# Altium PCB STB_SensorBoard.PcbDoc (part 3 of 4)
Units mm, origin at the board's own origin, x right, y up, seen from the top; angles counter-clockwise.
Board outline 370 x 359 mm, 2 copper layers (Top Layer, Bottom Layer), stack 1.569 mm thick; 224 components, 98 nets, 746 pads, 3353 vias.
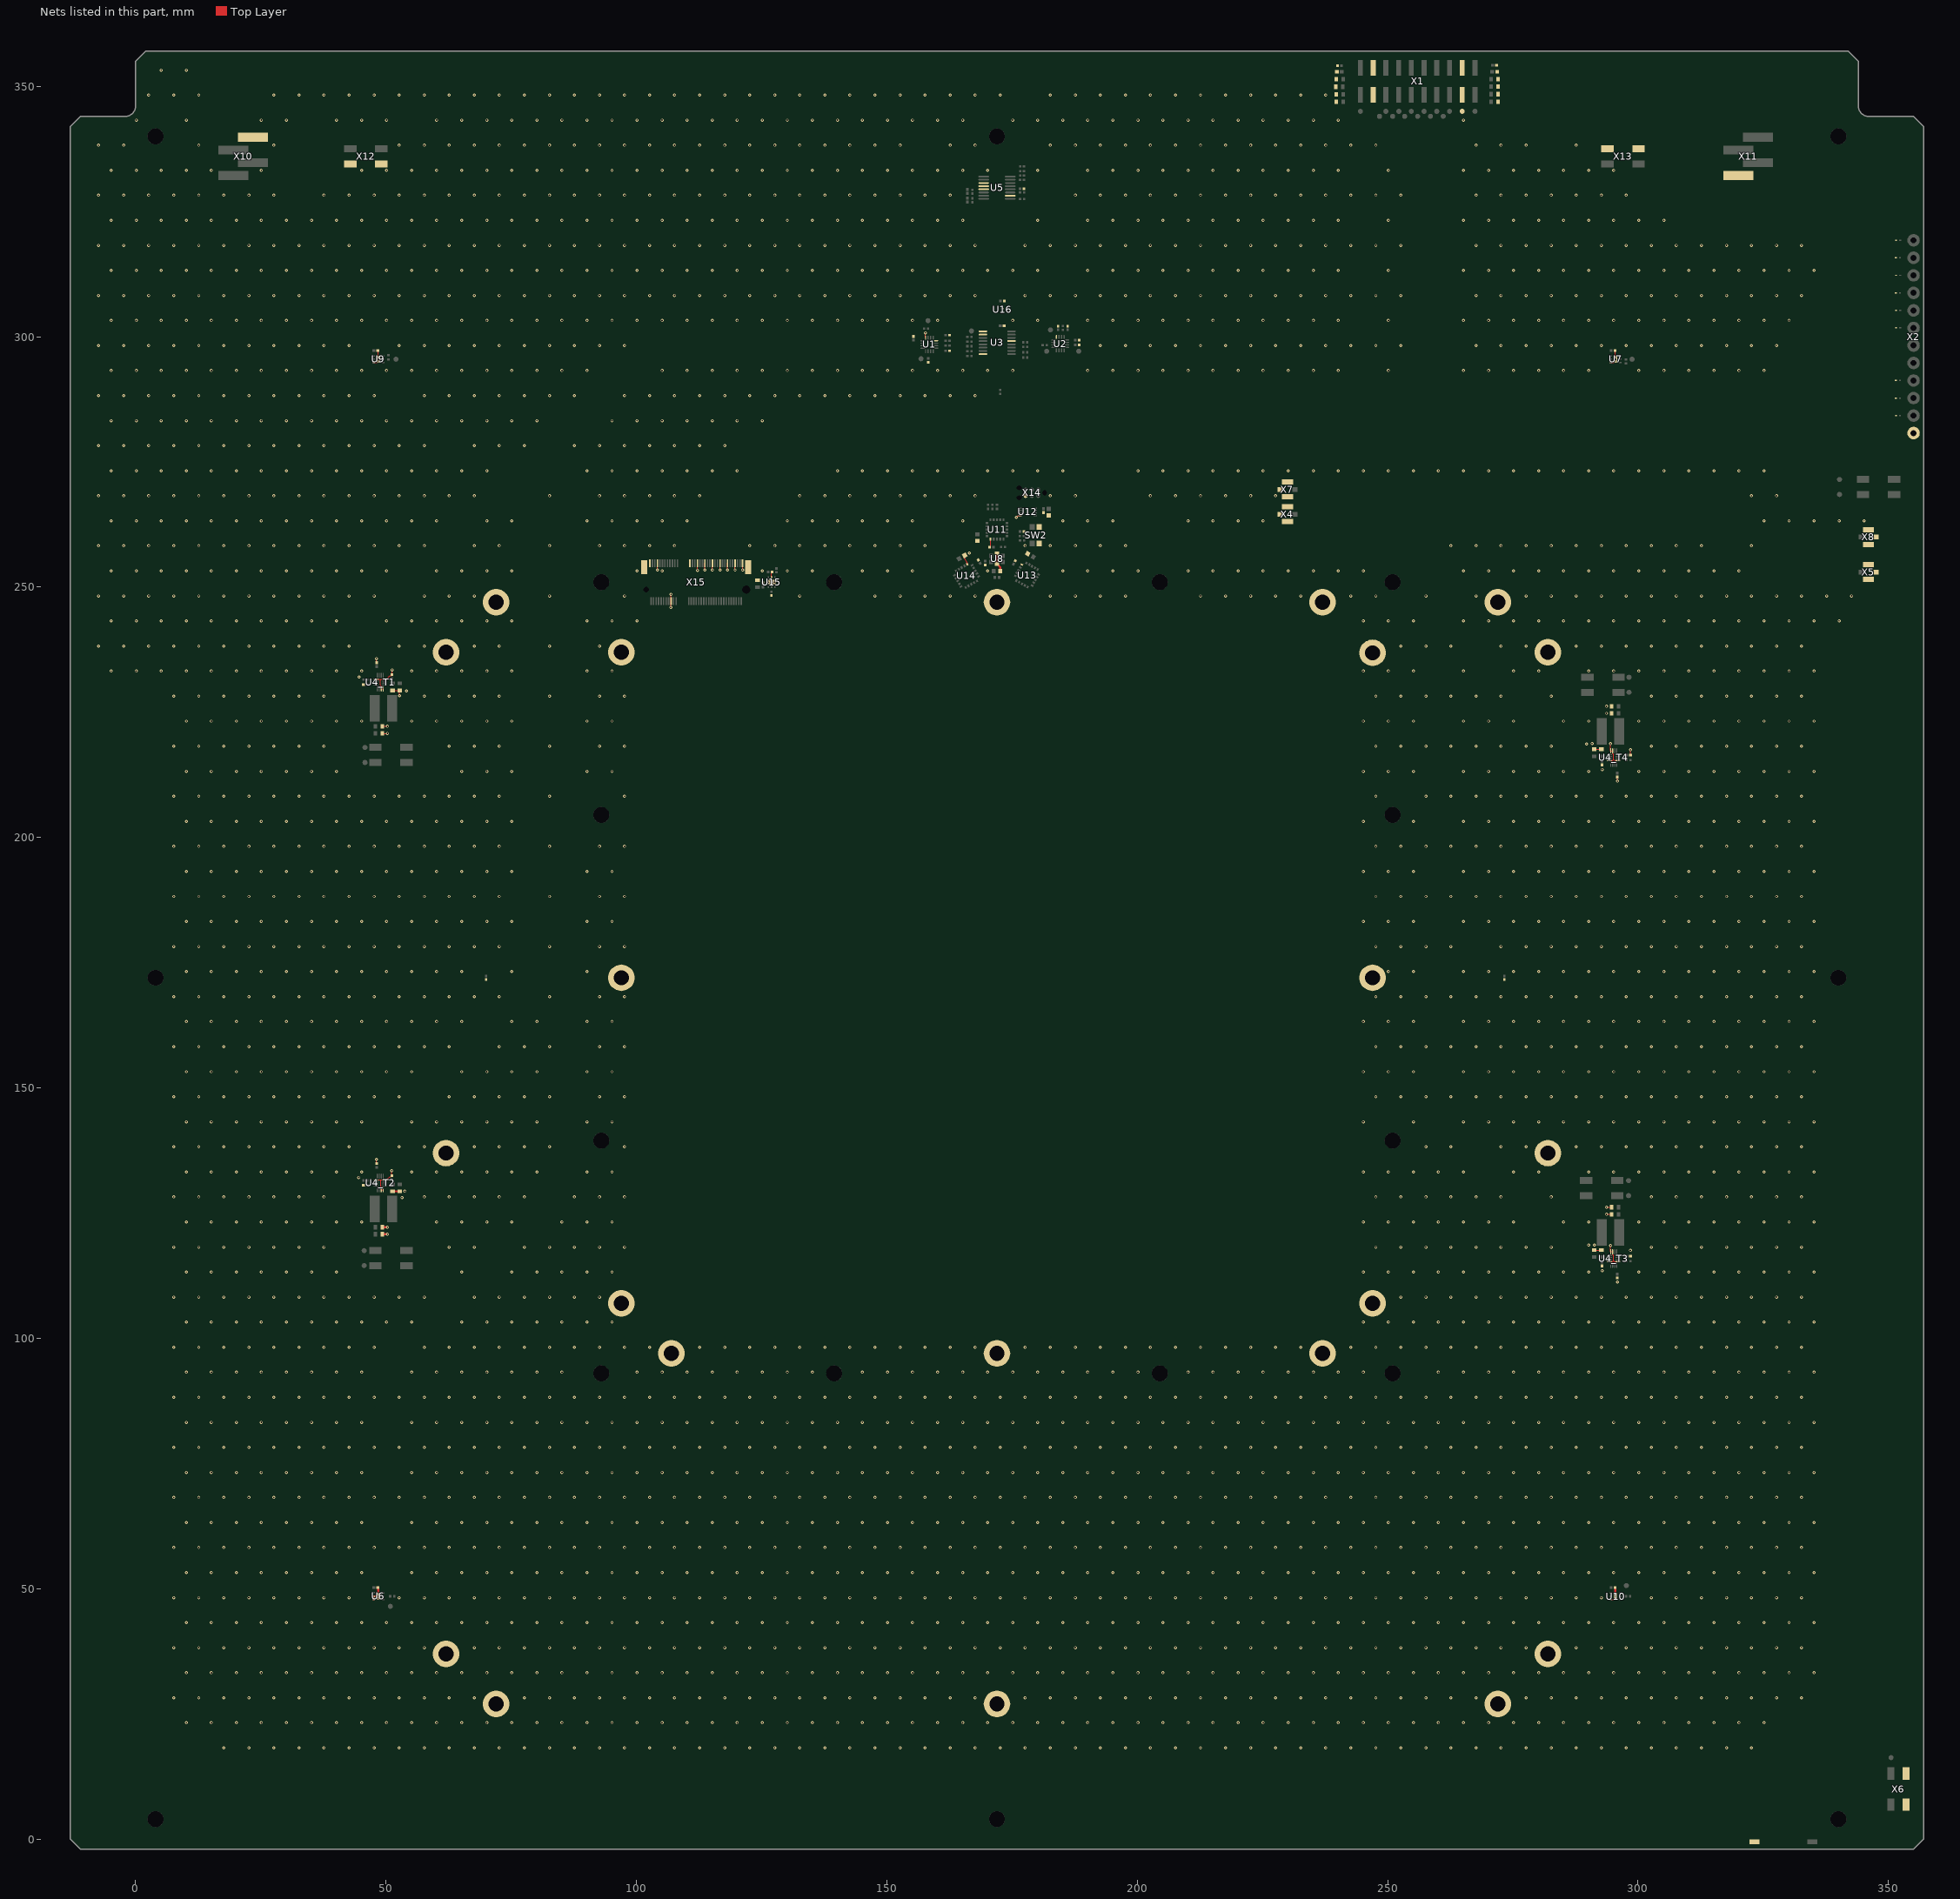
[diagram p3: the nets of this part, all layers, seen from the top]

## Via types
v1: diameter 0.604, hole 0.3, Top Layer to Bottom Layer, tented both sides, 3353 vias

## Nets (pads, with @x,y where several pads share a name; then routed paths per layer and width w, separated by ;. In a path a pad name is that pad's centre, name@x,y a point inside that pad or via, vN(x,y) a via of type N, cw(c..) or ccw(c..) an arc to the next point about the centre after c; other vN are vias at no path point) (continued)
GND: (continued)
  other v1: 17.642,18.24 22.642,18.24 27.642,18.24 32.642,18.24 37.642,18.24 42.642,18.24 47.642,18.24 52.642,18.24 57.642,18.24 62.642,18.24 67.642,18.24 72.642,18.24 77.642,18.24 82.642,18.24 87.642,18.24 92.642,18.24 97.642,18.24 102.642,18.24 107.642,18.24 112.642,18.24 117.642,18.24 122.642,18.24 127.642,18.24 132.642,18.24 137.642,18.24 142.642,18.24 147.642,18.24 152.642,18.24 157.642,18.24 162.642,18.24 167.642,18.24 172.642,18.24 177.642,18.24 182.642,18.24 187.642,18.24 192.642,18.24 197.642,18.24 202.642,18.24 207.642,18.24 212.642,18.24 217.642,18.24 222.642,18.24 227.642,18.24 232.642,18.24 237.642,18.24 242.642,18.24 247.642,18.24 252.642,18.24 257.642,18.24 262.642,18.24 267.642,18.24 272.642,18.24 277.642,18.24 282.642,18.24 287.642,18.24 292.642,18.24 297.642,18.24 302.642,18.24 307.642,18.24 312.642,18.24 317.642,18.24 322.642,18.24 10.142,23.24 15.142,23.24 20.142,23.24 25.142,23.24 30.142,23.24 35.142,23.24 40.142,23.24 45.142,23.24 50.142,23.24 55.142,23.24 60.142,23.24 65.142,23.24 70.142,23.24 75.142,23.24 80.142,23.24 85.142,23.24 90.142,23.24 95.142,23.24 100.142,23.24 105.142,23.24 110.142,23.24 115.142,23.24 120.142,23.24 125.142,23.24 130.142,23.24 135.142,23.24 140.142,23.24 145.142,23.24 150.142,23.24 155.142,23.24 160.142,23.24 165.142,23.24 170.142,23.24 175.142,23.24 180.142,23.24 185.142,23.24 190.142,23.24 195.142,23.24 200.142,23.24 205.142,23.24 210.142,23.24 215.142,23.24 220.142,23.24 225.142,23.24 230.142,23.24 235.142,23.24 240.142,23.24 245.142,23.24 250.142,23.24 255.142,23.24 260.142,23.24 265.142,23.24 270.142,23.24 275.142,23.24 280.142,23.24 285.142,23.24 290.142,23.24 295.142,23.24 300.142,23.24 305.142,23.24 310.142,23.24 315.142,23.24 320.142,23.24 325.142,23.24 7.642,28.24 12.642,28.24 17.642,28.24 22.642,28.24 27.642,28.24 32.642,28.24 37.642,28.24 42.642,28.24 47.642,28.24 52.642,28.24 57.642,28.24 62.642,28.24 67.642,28.24 77.642,28.24 82.642,28.24 87.642,28.24 92.642,28.24 97.642,28.24 102.642,28.24 107.642,28.24 112.642,28.24 117.642,28.24 122.642,28.24 127.642,28.24 132.642,28.24 137.642,28.24 142.642,28.24 147.642,28.24 152.642,28.24 157.642,28.24 162.642,28.24 167.642,28.24 177.642,28.24 182.642,28.24 187.642,28.24 192.642,28.24 197.642,28.24 202.642,28.24 207.642,28.24 212.642,28.24 217.642,28.24 222.642,28.24 227.642,28.24 232.642,28.24 237.642,28.24 242.642,28.24 247.642,28.24 252.642,28.24 257.642,28.24 262.642,28.24 267.642,28.24 277.642,28.24 282.642,28.24 287.642,28.24 292.642,28.24 297.642,28.24 302.642,28.24 307.642,28.24 312.642,28.24 317.642,28.24 322.642,28.24 327.642,28.24 332.642,28.24 10.142,33.24 15.142,33.24 20.142,33.24 25.142,33.24 30.142,33.24 35.142,33.24 40.142,33.24 45.142,33.24 50.142,33.24 55.142,33.24 60.142,33.24 65.142,33.24 70.142,33.24 75.142,33.24 80.142,33.24 85.142,33.24 90.142,33.24 95.142,33.24 100.142,33.24 105.142,33.24 110.142,33.24 115.142,33.24 120.142,33.24 125.142,33.24 130.142,33.24 135.142,33.24 140.142,33.24 145.142,33.24 150.142,33.24 155.142,33.24 160.142,33.24 165.142,33.24 170.142,33.24 175.142,33.24 180.142,33.24 185.142,33.24 190.142,33.24 195.142,33.24 200.142,33.24 205.142,33.24 210.142,33.24 215.142,33.24 220.142,33.24 225.142,33.24 230.142,33.24 235.142,33.24 240.142,33.24 245.142,33.24 250.142,33.24 255.142,33.24 260.142,33.24 265.142,33.24 270.142,33.24 275.142,33.24 280.142,33.24 285.142,33.24 290.142,33.24 295.142,33.24 300.142,33.24 305.142,33.24 310.142,33.24 315.142,33.24 320.142,33.24 325.142,33.24 330.142,33.24 335.142,33.24 7.642,38.24 12.642,38.24 17.642,38.24 22.642,38.24 27.642,38.24 32.642,38.24 37.642,38.24 42.642,38.24 47.642,38.24 52.642,38.24 57.642,38.24 67.642,38.24 72.642,38.24 77.642,38.24 82.642,38.24 87.642,38.24 92.642,38.24 97.642,38.24 102.642,38.24 107.642,38.24 112.642,38.24 117.642,38.24 122.642,38.24 127.642,38.24 132.642,38.24 137.642,38.24 142.642,38.24 147.642,38.24 152.642,38.24 157.642,38.24 162.642,38.24 167.642,38.24 172.642,38.24 177.642,38.24 182.642,38.24 187.642,38.24 192.642,38.24 197.642,38.24 202.642,38.24 207.642,38.24 212.642,38.24 217.642,38.24 222.642,38.24 227.642,38.24 232.642,38.24 237.642,38.24 242.642,38.24 247.642,38.24 252.642,38.24 257.642,38.24 262.642,38.24 267.642,38.24 272.642,38.24 277.642,38.24 287.642,38.24 292.642,38.24 297.642,38.24 302.642,38.24 307.642,38.24 312.642,38.24 317.642,38.24 322.642,38.24 327.642,38.24 332.642,38.24 10.142,43.24 15.142,43.24 20.142,43.24 25.142,43.24 30.142,43.24 35.142,43.24 40.142,43.24 45.142,43.24 50.142,43.24 55.142,43.24 60.142,43.24 65.142,43.24 70.142,43.24 75.142,43.24 80.142,43.24 85.142,43.24 90.142,43.24 95.142,43.24 100.142,43.24 105.142,43.24 110.142,43.24 115.142,43.24 120.142,43.24 125.142,43.24 130.142,43.24 135.142,43.24 140.142,43.24 145.142,43.24 150.142,43.24 155.142,43.24 160.142,43.24 165.142,43.24 170.142,43.24 175.142,43.24 180.142,43.24 185.142,43.24 190.142,43.24 195.142,43.24 200.142,43.24 205.142,43.24 210.142,43.24 215.142,43.24 220.142,43.24 225.142,43.24 230.142,43.24 235.142,43.24 240.142,43.24 245.142,43.24 250.142,43.24 255.142,43.24 260.142,43.24 265.142,43.24 270.142,43.24 275.142,43.24 280.142,43.24 285.142,43.24 290.142,43.24 295.142,43.24 300.142,43.24 305.142,43.24 310.142,43.24 315.142,43.24 320.142,43.24 325.142,43.24 330.142,43.24 335.142,43.24 7.642,48.24 12.642,48.24 17.642,48.24 22.642,48.24 27.642,48.24 32.642,48.24 37.642,48.24 42.642,48.24 52.642,48.24 57.642,48.24 62.642,48.24 67.642,48.24 72.642,48.24 77.642,48.24 82.642,48.24 87.642,48.24 92.642,48.24 97.642,48.24 102.642,48.24 107.642,48.24 112.642,48.24 117.642,48.24 122.642,48.24 127.642,48.24 132.642,48.24 137.642,48.24 142.642,48.24 147.642,48.24 152.642,48.24 157.642,48.24 162.642,48.24 167.642,48.24 172.642,48.24 177.642,48.24 182.642,48.24 187.642,48.24 192.642,48.24 197.642,48.24 202.642,48.24 207.642,48.24 212.642,48.24 217.642,48.24 222.642,48.24 227.642,48.24 232.642,48.24 237.642,48.24 242.642,48.24 247.642,48.24 252.642,48.24 257.642,48.24 262.642,48.24 267.642,48.24 272.642,48.24 277.642,48.24 282.642,48.24 287.642,48.24 292.642,48.24 302.642,48.24 307.642,48.24 312.642,48.24 317.642,48.24 322.642,48.24 327.642,48.24 332.642,48.24 10.142,53.24 15.142,53.24 20.142,53.24 25.142,53.24 30.142,53.24 35.142,53.24 40.142,53.24 45.142,53.24 55.142,53.24 60.142,53.24 65.142,53.24 70.142,53.24 75.142,53.24 80.142,53.24 85.142,53.24 90.142,53.24 95.142,53.24 100.142,53.24 105.142,53.24 110.142,53.24 115.142,53.24 120.142,53.24 125.142,53.24 130.142,53.24 135.142,53.24 140.142,53.24 145.142,53.24 150.142,53.24 155.142,53.24 160.142,53.24 165.142,53.24 170.142,53.24 175.142,53.24 180.142,53.24 185.142,53.24 190.142,53.24 195.142,53.24 200.142,53.24 205.142,53.24 210.142,53.24 215.142,53.24 220.142,53.24 225.142,53.24 230.142,53.24 235.142,53.24 240.142,53.24 245.142,53.24 250.142,53.24 255.142,53.24 260.142,53.24 265.142,53.24 270.142,53.24 275.142,53.24 280.142,53.24 285.142,53.24 290.142,53.24 295.142,53.24 300.142,53.24 305.142,53.24 310.142,53.24 315.142,53.24 320.142,53.24 325.142,53.24 330.142,53.24 335.142,53.24 7.642,58.24 12.642,58.24 17.642,58.24 22.642,58.24 27.642,58.24 32.642,58.24 37.642,58.24 42.642,58.24 47.642,58.24 52.642,58.24 57.642,58.24 62.642,58.24 67.642,58.24 72.642,58.24 77.642,58.24 82.642,58.24 87.642,58.24 92.642,58.24 97.642,58.24 102.642,58.24 107.642,58.24 112.642,58.24 117.642,58.24 122.642,58.24 127.642,58.24 132.642,58.24 137.642,58.24 142.642,58.24 147.642,58.24 152.642,58.24 157.642,58.24 162.642,58.24 167.642,58.24 172.642,58.24 177.642,58.24 182.642,58.24 187.642,58.24 192.642,58.24 197.642,58.24 202.642,58.24 207.642,58.24 212.642,58.24 217.642,58.24 222.642,58.24 227.642,58.24 232.642,58.24 237.642,58.24 242.642,58.24 247.642,58.24 252.642,58.24 257.642,58.24 262.642,58.24 267.642,58.24 272.642,58.24 277.642,58.24 282.642,58.24 287.642,58.24 292.642,58.24 297.642,58.24 302.642,58.24 307.642,58.24 312.642,58.24 317.642,58.24 322.642,58.24 327.642,58.24 332.642,58.24 10.142,63.24 15.142,63.24 20.142,63.24 25.142,63.24 30.142,63.24 35.142,63.24 40.142,63.24 45.142,63.24 55.142,63.24 60.142,63.24 65.142,63.24 70.142,63.24 75.142,63.24 80.142,63.24 85.142,63.24 90.142,63.24 95.142,63.24 100.142,63.24 105.142,63.24 110.142,63.24 115.142,63.24 120.142,63.24 125.142,63.24 130.142,63.24 135.142,63.24 140.142,63.24 145.142,63.24 150.142,63.24 155.142,63.24 160.142,63.24 165.142,63.24 170.142,63.24 175.142,63.24 180.142,63.24 185.142,63.24 190.142,63.24 195.142,63.24 200.142,63.24 205.142,63.24 210.142,63.24 215.142,63.24 220.142,63.24 225.142,63.24 230.142,63.24 235.142,63.24 240.142,63.24 245.142,63.24 250.142,63.24 255.142,63.24 260.142,63.24 265.142,63.24 270.142,63.24 275.142,63.24 280.142,63.24 285.142,63.24 290.142,63.24 295.142,63.24 300.142,63.24 305.142,63.24 310.142,63.24 315.142,63.24 320.142,63.24 325.142,63.24 330.142,63.24 335.142,63.24 7.642,68.24 12.642,68.24 17.642,68.24 22.642,68.24 27.642,68.24 32.642,68.24 37.642,68.24 42.642,68.24 47.642,68.24 52.642,68.24 57.642,68.24 62.642,68.24 67.642,68.24 72.642,68.24 77.642,68.24 82.642,68.24 87.642,68.24 92.642,68.24 97.642,68.24 102.642,68.24 107.642,68.24 112.642,68.24 117.642,68.24 122.642,68.24 127.642,68.24 132.642,68.24 137.642,68.24 142.642,68.24 147.642,68.24 152.642,68.24 157.642,68.24 162.642,68.24 167.642,68.24 172.642,68.24 177.642,68.24 182.642,68.24 187.642,68.24 192.642,68.24 197.642,68.24 202.642,68.24 207.642,68.24 212.642,68.24 217.642,68.24 222.642,68.24 227.642,68.24 232.642,68.24 237.642,68.24 242.642,68.24 247.642,68.24 252.642,68.24 257.642,68.24 262.642,68.24 267.642,68.24 272.642,68.24 277.642,68.24 282.642,68.24 287.642,68.24 292.642,68.24 297.642,68.24 302.642,68.24 307.642,68.24 312.642,68.24 317.642,68.24 322.642,68.24 327.642,68.24 332.642,68.24 10.142,73.24 15.142,73.24 20.142,73.24 25.142,73.24 30.142,73.24 35.142,73.24 40.142,73.24 45.142,73.24 55.142,73.24 60.142,73.24 65.142,73.24 70.142,73.24 75.142,73.24 80.142,73.24 85.142,73.24 90.142,73.24 95.142,73.24 100.142,73.24 105.142,73.24 110.142,73.24 115.142,73.24 120.142,73.24 125.142,73.24 130.142,73.24 135.142,73.24 140.142,73.24 145.142,73.24 150.142,73.24 155.142,73.24 160.142,73.24 165.142,73.24 170.142,73.24 175.142,73.24 180.142,73.24 185.142,73.24 190.142,73.24 195.142,73.24 200.142,73.24 205.142,73.24 210.142,73.24 215.142,73.24 220.142,73.24 225.142,73.24 230.142,73.24 235.142,73.24 240.142,73.24 245.142,73.24 250.142,73.24 255.142,73.24 260.142,73.24 265.142,73.24 270.142,73.24 275.142,73.24 280.142,73.24 285.142,73.24 290.142,73.24 295.142,73.24 300.142,73.24 305.142,73.24 310.142,73.24 315.142,73.24 320.142,73.24 325.142,73.24 330.142,73.24 335.142,73.24 7.642,78.24 12.642,78.24 17.642,78.24 22.642,78.24 27.642,78.24 32.642,78.24 37.642,78.24 42.642,78.24 47.642,78.24 52.642,78.24 57.642,78.24 62.642,78.24 67.642,78.24 72.642,78.24 77.642,78.24 82.642,78.24 87.642,78.24 92.642,78.24 97.642,78.24 102.642,78.24 107.642,78.24 112.642,78.24 117.642,78.24 122.642,78.24 127.642,78.24 132.642,78.24 137.642,78.24 142.642,78.24 147.642,78.24 152.642,78.24 157.642,78.24 162.642,78.24 167.642,78.24 172.642,78.24 177.642,78.24 182.642,78.24 187.642,78.24 192.642,78.24 197.642,78.24 202.642,78.24 207.642,78.24 212.642,78.24 217.642,78.24 222.642,78.24 227.642,78.24 232.642,78.24 237.642,78.24 242.642,78.24 247.642,78.24 252.642,78.24 257.642,78.24 262.642,78.24 267.642,78.24 272.642,78.24 277.642,78.24 282.642,78.24 287.642,78.24 292.642,78.24 297.642,78.24 302.642,78.24 307.642,78.24 312.642,78.24 317.642,78.24 322.642,78.24 327.642,78.24 332.642,78.24 10.142,83.24 15.142,83.24 20.142,83.24 25.142,83.24 30.142,83.24 35.142,83.24 40.142,83.24 45.142,83.24 55.142,83.24 60.142,83.24 65.142,83.24 70.142,83.24 75.142,83.24 80.142,83.24 85.142,83.24 90.142,83.24 95.142,83.24 100.142,83.24 105.142,83.24 110.142,83.24 115.142,83.24 120.142,83.24 125.142,83.24 130.142,83.24 135.142,83.24 140.142,83.24 145.142,83.24 150.142,83.24 155.142,83.24 160.142,83.24 165.142,83.24 170.142,83.24 175.142,83.24 180.142,83.24 185.142,83.24 190.142,83.24 195.142,83.24 200.142,83.24 205.142,83.24 210.142,83.24 215.142,83.24 220.142,83.24 225.142,83.24 230.142,83.24 235.142,83.24 240.142,83.24 245.142,83.24 250.142,83.24 255.142,83.24 260.142,83.24 265.142,83.24 270.142,83.24 275.142,83.24 280.142,83.24 285.142,83.24 290.142,83.24 295.142,83.24 300.142,83.24 305.142,83.24 310.142,83.24 315.142,83.24 320.142,83.24 325.142,83.24 330.142,83.24 335.142,83.24 7.642,88.24 12.642,88.24 17.642,88.24 22.642,88.24 27.642,88.24 32.642,88.24 37.642,88.24 42.642,88.24 47.642,88.24 52.642,88.24 57.642,88.24 62.642,88.24 67.642,88.24 72.642,88.24 77.642,88.24 82.642,88.24 87.642,88.24 92.642,88.24 97.642,88.24 102.642,88.24 107.642,88.24 112.642,88.24 117.642,88.24 122.642,88.24 127.642,88.24 132.642,88.24 137.642,88.24 142.642,88.24 147.642,88.24 152.642,88.24 157.642,88.24 162.642,88.24 167.642,88.24 172.642,88.24 177.642,88.24 182.642,88.24 187.642,88.24 192.642,88.24 197.642,88.24 202.642,88.24 207.642,88.24 212.642,88.24 217.642,88.24 222.642,88.24 227.642,88.24 232.642,88.24 237.642,88.24 242.642,88.24 247.642,88.24 252.642,88.24 257.642,88.24 262.642,88.24 267.642,88.24 272.642,88.24 277.642,88.24 282.642,88.24 287.642,88.24 292.642,88.24 297.642,88.24 302.642,88.24 307.642,88.24 312.642,88.24 317.642,88.24 322.642,88.24 327.642,88.24 332.642,88.24 10.142,93.24 15.142,93.24 20.142,93.24 25.142,93.24 30.142,93.24 35.142,93.24 40.142,93.24 45.142,93.24 55.142,93.24 60.142,93.24 65.142,93.24 70.142,93.24 75.142,93.24 80.142,93.24 85.142,93.24 100.142,93.24 105.142,93.24 110.142,93.24 115.142,93.24 120.142,93.24 125.142,93.24 130.142,93.24 135.142,93.24 145.142,93.24 150.142,93.24 155.142,93.24 160.142,93.24 165.142,93.24 170.142,93.24 175.142,93.24 180.142,93.24 185.142,93.24 190.142,93.24 195.142,93.24 200.142,93.24 210.142,93.24 215.142,93.24 220.142,93.24 225.142,93.24 230.142,93.24 235.142,93.24 240.142,93.24 245.142,93.24 260.142,93.24 265.142,93.24 270.142,93.24 275.142,93.24 280.142,93.24 285.142,93.24 290.142,93.24 295.142,93.24 300.142,93.24 305.142,93.24 310.142,93.24 315.142,93.24 320.142,93.24 325.142,93.24 330.142,93.24 335.142,93.24 7.642,98.24 12.642,98.24 17.642,98.24 22.642,98.24 27.642,98.24 32.642,98.24 37.642,98.24 42.642,98.24 47.642,98.24 57.642,98.24 62.642,98.24 67.642,98.24 72.642,98.24 77.642,98.24 82.642,98.24 87.642,98.24 92.642,98.24 97.642,98.24 102.642,98.24 112.642,98.24 117.642,98.24 122.642,98.24 127.642,98.24 132.642,98.24 137.642,98.24 142.642,98.24 147.642,98.24 152.642,98.24 157.642,98.24 162.642,98.24 167.642,98.24 177.642,98.24 182.642,98.24 187.642,98.24 192.642,98.24 197.642,98.24 202.642,98.24 207.642,98.24 212.642,98.24 217.642,98.24 222.642,98.24 227.642,98.24 232.642,98.24 242.642,98.24 247.642,98.24 252.642,98.24 257.642,98.24 262.642,98.24 267.642,98.24 272.642,98.24 277.642,98.24 282.642,98.24 287.642,98.24 292.642,98.24 297.642,98.24 302.642,98.24 307.642,98.24 312.642,98.24 317.642,98.24 322.642,98.24 327.642,98.24 332.642,98.24 10.142,103.24 15.142,103.24 20.142,103.24 25.142,103.24 30.142,103.24 35.142,103.24 40.142,103.24 45.142,103.24 50.142,103.24 55.142,103.24 65.142,103.24 70.142,103.24 75.142,103.24 80.142,103.24 85.142,103.24 90.142,103.24 95.142,103.24 245.142,103.24 250.142,103.24 255.142,103.24 260.142,103.24 265.142,103.24 270.142,103.24 275.142,103.24 280.142,103.24 285.142,103.24 290.142,103.24 295.142,103.24 300.142,103.24 305.142,103.24 310.142,103.24 315.142,103.24 320.142,103.24 325.142,103.24 330.142,103.24 335.142,103.24 7.642,108.24 12.642,108.24 17.642,108.24 22.642,108.24 27.642,108.24 32.642,108.24 37.642,108.24 42.642,108.24 47.642,108.24 52.642,108.24 57.642,108.24 67.642,108.24 72.642,108.24 77.642,108.24 82.642,108.24 87.642,108.24 92.642,108.24 252.642,108.24 257.642,108.24 262.642,108.24 267.642,108.24 272.642,108.24 277.642,108.24 282.642,108.24 287.642,108.24 292.642,108.24 297.642,108.24 302.642,108.24 307.642,108.24 312.642,108.24 317.642,108.24 322.642,108.24 327.642,108.24 332.642,108.24 10.142,113.24 15.142,113.24 20.142,113.24 25.142,113.24 30.142,113.24 35.142,113.24 40.142,113.24 65.142,113.24 75.142,113.24 80.142,113.24 85.142,113.24 90.142,113.24 95.142,113.24 245.142,113.24 250.142,113.24 255.142,113.24 260.142,113.24 265.142,113.24 270.142,113.24 275.142,113.24 280.142,113.24 285.142,113.24 290.142,113.24 300.142,113.24 305.142,113.24 310.142,113.24 315.142,113.24 320.142,113.24 325.142,113.24 330.142,113.24 335.142,113.24 292.809,113.511 298.465,117.554 7.642,118.24 12.642,118.24 17.642,118.24 22.642,118.24 27.642,118.24 32.642,118.24 37.642,118.24 62.642,118.24 67.642,118.24 77.642,118.24 82.642,118.24 87.642,118.24 92.642,118.24 97.642,118.24 247.642,118.24 252.642,118.24 257.642,118.24 262.642,118.24 267.642,118.24 272.642,118.24 277.642,118.24 282.642,118.24 302.642,118.24 307.642,118.24 312.642,118.24 317.642,118.24 322.642,118.24 327.642,118.24 332.642,118.24 294.518,118.571 290.12,118.638 291.262,118.638 10.142,123.24 15.142,123.24 20.142,123.24 25.142,123.24 30.142,123.24 35.142,123.24 40.142,123.24 45.142,123.24 60.142,123.24 65.142,123.24 70.142,123.24 75.142,123.24 85.142,123.24 90.142,123.24 95.142,123.24 245.142,123.24 250.142,123.24 255.142,123.24 260.142,123.24 265.142,123.24 270.142,123.24 275.142,123.24 285.142,123.24 290.142,123.24 300.142,123.24 305.142,123.24 310.142,123.24 315.142,123.24 320.142,123.24 325.142,123.24 330.142,123.24 335.142,123.24 53.199,128.1 7.642,128.24 12.642,128.24 17.642,128.24 22.642,128.24 27.642,128.24 32.642,128.24 37.642,128.24 57.642,128.24 62.642,128.24 67.642,128.24 72.642,128.24 77.642,128.24 87.642,128.24 92.642,128.24 97.642,128.24 247.642,128.24 252.642,128.24 257.642,128.24 262.642,128.24 267.642,128.24 272.642,128.24 282.642,128.24 302.642,128.24 307.642,128.24 312.642,128.24 317.642,128.24 322.642,128.24 327.642,128.24 332.642,128.24 53.797,129.362 44.597,132.13 10.142,133.24 15.142,133.24 20.142,133.24 25.142,133.24 30.142,133.24 35.142,133.24 40.142,133.24 45.142,133.24 55.142,133.24 60.142,133.24 65.142,133.24 70.142,133.24 75.142,133.24 80.142,133.24 90.142,133.24 95.142,133.24 245.142,133.24 250.142,133.24 255.142,133.24 260.142,133.24 265.142,133.24 275.142,133.24 280.142,133.24 290.142,133.24 295.142,133.24 300.142,133.24 305.142,133.24 310.142,133.24 315.142,133.24 320.142,133.24 325.142,133.24 330.142,133.24 335.142,133.24 7.642,138.24 12.642,138.24 17.642,138.24 22.642,138.24 27.642,138.24 32.642,138.24 37.642,138.24 42.642,138.24 52.642,138.24 57.642,138.24 67.642,138.24 72.642,138.24 77.642,138.24 82.642,138.24 97.642,138.24 257.642,138.24 262.642,138.24 272.642,138.24 277.642,138.24 287.642,138.24 292.642,138.24 297.642,138.24 302.642,138.24 307.642,138.24 312.642,138.24 317.642,138.24 322.642,138.24 327.642,138.24 332.642,138.24 10.142,143.24 15.142,143.24 20.142,143.24 25.142,143.24 30.142,143.24 35.142,143.24 40.142,143.24 45.142,143.24 55.142,143.24 60.142,143.24 65.142,143.24 70.142,143.24 75.142,143.24 80.142,143.24 90.142,143.24 95.142,143.24 245.142,143.24 255.142,143.24 265.142,143.24 270.142,143.24 275.142,143.24 280.142,143.24 285.142,143.24 290.142,143.24 295.142,143.24 300.142,143.24 305.142,143.24 310.142,143.24 315.142,143.24 320.142,143.24 325.142,143.24 330.142,143.24 335.142,143.24 7.642,148.24 12.642,148.24 17.642,148.24 22.642,148.24 27.642,148.24 32.642,148.24 37.642,148.24 42.642,148.24 47.642,148.24 52.642,148.24 62.642,148.24 67.642,148.24 72.642,148.24 77.642,148.24 82.642,148.24 92.642,148.24 97.642,148.24 247.642,148.24 252.642,148.24 257.642,148.24 262.642,148.24 267.642,148.24 272.642,148.24 277.642,148.24 282.642,148.24 287.642,148.24 292.642,148.24 297.642,148.24 302.642,148.24 307.642,148.24 312.642,148.24 317.642,148.24 322.642,148.24 327.642,148.24 332.642,148.24 10.142,153.24 15.142,153.24 20.142,153.24 25.142,153.24 30.142,153.24 35.142,153.24 40.142,153.24 45.142,153.24 50.142,153.24 55.142,153.24 65.142,153.24 70.142,153.24 75.142,153.24 80.142,153.24 90.142,153.24 95.142,153.24 245.142,153.24 250.142,153.24 255.142,153.24 265.142,153.24 270.142,153.24 275.142,153.24 280.142,153.24 285.142,153.24 290.142,153.24 295.142,153.24 300.142,153.24 305.142,153.24 310.142,153.24 315.142,153.24 320.142,153.24 325.142,153.24 330.142,153.24 335.142,153.24 7.642,158.24 12.642,158.24 17.642,158.24 22.642,158.24 27.642,158.24 32.642,158.24 37.642,158.24 42.642,158.24 47.642,158.24 52.642,158.24 57.642,158.24 62.642,158.24 72.642,158.24 77.642,158.24 82.642,158.24 92.642,158.24 97.642,158.24 247.642,158.24 252.642,158.24 257.642,158.24 262.642,158.24 267.642,158.24 272.642,158.24 277.642,158.24 282.642,158.24 287.642,158.24 292.642,158.24 297.642,158.24 302.642,158.24 307.642,158.24 312.642,158.24 317.642,158.24 322.642,158.24 327.642,158.24 332.642,158.24 10.142,163.24 15.142,163.24 20.142,163.24 25.142,163.24 30.142,163.24 35.142,163.24 40.142,163.24 45.142,163.24 50.142,163.24 55.142,163.24 60.142,163.24 65.142,163.24 75.142,163.24 80.142,163.24 90.142,163.24 95.142,163.24 245.142,163.24 250.142,163.24 255.142,163.24 265.142,163.24 270.142,163.24 275.142,163.24 280.142,163.24 285.142,163.24 290.142,163.24 295.142,163.24 300.142,163.24 305.142,163.24 310.142,163.24 315.142,163.24 320.142,163.24 325.142,163.24 330.142,163.24 335.142,163.24 7.642,168.24 12.642,168.24 17.642,168.24 22.642,168.24 27.642,168.24 32.642,168.24 37.642,168.24 42.642,168.24 47.642,168.24 52.642,168.24 57.642,168.24 62.642,168.24 67.642,168.24 72.642,168.24 82.642,168.24 92.642,168.24 97.642,168.24 247.642,168.24 252.642,168.24 257.642,168.24 262.642,168.24 267.642,168.24 272.642,168.24 277.642,168.24 282.642,168.24 287.642,168.24 292.642,168.24 297.642,168.24 302.642,168.24 307.642,168.24 312.642,168.24 317.642,168.24 322.642,168.24 327.642,168.24 332.642,168.24 10.142,173.24 15.142,173.24 20.142,173.24 25.142,173.24 30.142,173.24 35.142,173.24 40.142,173.24 45.142,173.24 50.142,173.24 55.142,173.24 60.142,173.24 65.142,173.24 75.142,173.24 90.142,173.24 250.142,173.24 255.142,173.24 265.142,173.24 270.142,173.24 275.142,173.24 280.142,173.24 285.142,173.24 290.142,173.24 295.142,173.24 300.142,173.24 305.142,173.24 310.142,173.24 315.142,173.24 320.142,173.24 325.142,173.24 330.142,173.24 335.142,173.24 7.642,178.24 12.642,178.24 17.642,178.24 22.642,178.24 27.642,178.24 32.642,178.24 37.642,178.24 42.642,178.24 47.642,178.24 52.642,178.24 57.642,178.24 62.642,178.24 67.642,178.24 72.642,178.24 82.642,178.24 92.642,178.24 97.642,178.24 247.642,178.24 252.642,178.24 257.642,178.24 262.642,178.24 272.642,178.24 277.642,178.24 282.642,178.24 287.642,178.24 292.642,178.24 297.642,178.24 302.642,178.24 307.642,178.24 312.642,178.24 317.642,178.24 322.642,178.24 327.642,178.24 332.642,178.24 10.142,183.24 15.142,183.24 20.142,183.24 25.142,183.24 30.142,183.24 35.142,183.24 40.142,183.24 45.142,183.24 50.142,183.24 55.142,183.24 60.142,183.24 65.142,183.24 70.142,183.24 75.142,183.24 90.142,183.24 95.142,183.24 245.142,183.24 250.142,183.24 255.142,183.24 265.142,183.24 270.142,183.24 275.142,183.24 280.142,183.24 285.142,183.24 290.142,183.24 295.142,183.24 300.142,183.24 305.142,183.24 310.142,183.24 315.142,183.24 320.142,183.24 325.142,183.24 330.142,183.24 335.142,183.24 7.642,188.24 12.642,188.24 17.642,188.24 22.642,188.24 27.642,188.24 32.642,188.24 37.642,188.24 42.642,188.24 47.642,188.24 52.642,188.24 57.642,188.24 62.642,188.24 67.642,188.24 72.642,188.24 82.642,188.24 92.642,188.24 97.642,188.24 247.642,188.24 252.642,188.24 257.642,188.24 262.642,188.24 267.642,188.24 272.642,188.24 277.642,188.24 282.642,188.24 287.642,188.24 292.642,188.24 297.642,188.24 302.642,188.24 307.642,188.24 312.642,188.24 317.642,188.24 322.642,188.24 327.642,188.24 332.642,188.24 10.142,193.24 15.142,193.24 20.142,193.24 25.142,193.24 30.142,193.24 35.142,193.24 40.142,193.24 45.142,193.24 50.142,193.24 55.142,193.24 60.142,193.24 65.142,193.24 70.142,193.24 75.142,193.24 90.142,193.24 95.142,193.24 245.142,193.24 250.142,193.24 255.142,193.24 265.142,193.24 270.142,193.24 275.142,193.24 280.142,193.24 285.142,193.24 290.142,193.24 295.142,193.24 300.142,193.24 305.142,193.24 310.142,193.24 315.142,193.24 320.142,193.24 325.142,193.24 330.142,193.24 335.142,193.24 7.642,198.24 12.642,198.24 17.642,198.24 22.642,198.24 27.642,198.24 32.642,198.24 37.642,198.24 42.642,198.24 47.642,198.24 52.642,198.24 57.642,198.24 62.642,198.24 67.642,198.24 72.642,198.24 82.642,198.24 92.642,198.24 97.642,198.24 247.642,198.24 252.642,198.24 257.642,198.24 262.642,198.24 267.642,198.24 272.642,198.24 277.642,198.24 282.642,198.24 287.642,198.24 292.642,198.24 297.642,198.24 302.642,198.24 307.642,198.24 312.642,198.24 317.642,198.24 322.642,198.24 327.642,198.24 332.642,198.24 10.142,203.24 15.142,203.24 20.142,203.24 25.142,203.24 30.142,203.24 35.142,203.24 40.142,203.24 45.142,203.24 50.142,203.24 55.142,203.24 60.142,203.24 65.142,203.24 70.142,203.24 75.142,203.24 245.142,203.24 255.142,203.24 265.142,203.24 270.142,203.24 275.142,203.24 280.142,203.24 285.142,203.24 290.142,203.24 295.142,203.24 300.142,203.24 305.142,203.24 310.142,203.24 315.142,203.24 320.142,203.24 325.142,203.24 330.142,203.24 335.142,203.24 7.642,208.24 12.642,208.24 17.642,208.24 22.642,208.24 27.642,208.24 32.642,208.24 37.642,208.24 42.642,208.24 47.642,208.24 52.642,208.24 57.642,208.24 62.642,208.24 67.642,208.24 72.642,208.24 82.642,208.24 97.642,208.24 247.642,208.24 257.642,208.24 262.642,208.24 267.642,208.24 272.642,208.24 277.642,208.24 282.642,208.24 287.642,208.24 292.642,208.24 297.642,208.24 302.642,208.24 307.642,208.24 312.642,208.24 317.642,208.24 322.642,208.24 327.642,208.24 332.642,208.24 10.142,213.24 15.142,213.24 20.142,213.24 25.142,213.24 30.142,213.24 35.142,213.24 40.142,213.24 65.142,213.24 70.142,213.24 75.142,213.24 90.142,213.24 95.142,213.24 245.142,213.24 250.142,213.24 255.142,213.24 265.142,213.24 270.142,213.24 275.142,213.24 280.142,213.24 285.142,213.24 290.142,213.24 300.142,213.24 305.142,213.24 310.142,213.24 315.142,213.24 320.142,213.24 325.142,213.24 330.142,213.24 335.142,213.24 292.815,213.588 7.642,218.24 12.642,218.24 17.642,218.24 22.642,218.24 27.642,218.24 32.642,218.24 37.642,218.24 62.642,218.24 67.642,218.24 72.642,218.24 82.642,218.24 92.642,218.24 97.642,218.24 247.642,218.24 252.642,218.24 257.642,218.24 262.642,218.24 267.642,218.24 272.642,218.24 277.642,218.24 282.642,218.24 302.642,218.24 307.642,218.24 312.642,218.24 317.642,218.24 322.642,218.24 327.642,218.24 332.642,218.24 289.708,218.657 290.817,218.778 10.142,223.24 15.142,223.24 20.142,223.24 25.142,223.24 30.142,223.24 35.142,223.24 40.142,223.24 45.142,223.24 55.142,223.24 60.142,223.24 65.142,223.24 70.142,223.24 75.142,223.24 90.142,223.24 95.142,223.24 245.142,223.24 250.142,223.24 255.142,223.24 265.142,223.24 270.142,223.24 275.142,223.24 285.142,223.24 290.142,223.24 300.142,223.24 305.142,223.24 310.142,223.24 315.142,223.24 320.142,223.24 325.142,223.24 330.142,223.24 335.142,223.24 293.687,224.8 293.687,226.204 7.642,228.24 12.642,228.24 17.642,228.24 22.642,228.24 27.642,228.24 32.642,228.24 37.642,228.24 57.642,228.24 62.642,228.24 67.642,228.24 72.642,228.24 82.642,228.24 92.642,228.24 97.642,228.24 247.642,228.24 252.642,228.24 257.642,228.24 262.642,228.24 267.642,228.24 272.642,228.24 282.642,228.24 302.642,228.24 307.642,228.24 312.642,228.24 317.642,228.24 322.642,228.24 327.642,228.24 332.642,228.24 54.1,229.28 44.629,232.069 -4.858,233.24 0.142,233.24 5.142,233.24 10.142,233.24 15.142,233.24 20.142,233.24 25.142,233.24 30.142,233.24 35.142,233.24 40.142,233.24 45.142,233.24 55.142,233.24 60.142,233.24 65.142,233.24 70.142,233.24 75.142,233.24 90.142,233.24 95.142,233.24 245.142,233.24 250.142,233.24 255.142,233.24 265.142,233.24 275.142,233.24 280.142,233.24 290.142,233.24 295.142,233.24 300.142,233.24 305.142,233.24 310.142,233.24 315.142,233.24 320.142,233.24 325.142,233.24 330.142,233.24 335.142,233.24 -7.358,238.24 -2.358,238.24 2.642,238.24 7.642,238.24 12.642,238.24 17.642,238.24 22.642,238.24 27.642,238.24 32.642,238.24 37.642,238.24 42.642,238.24 52.642,238.24 57.642,238.24 67.642,238.24 72.642,238.24 82.642,238.24 92.642,238.24 252.642,238.24 257.642,238.24 262.642,238.24 272.642,238.24 277.642,238.24 287.642,238.24 292.642,238.24 297.642,238.24 302.642,238.24 307.642,238.24 312.642,238.24 317.642,238.24 322.642,238.24 327.642,238.24 332.642,238.24 -4.858,243.24 0.142,243.24 5.142,243.24 10.142,243.24 15.142,243.24 20.142,243.24 25.142,243.24 30.142,243.24 35.142,243.24 40.142,243.24 50.142,243.24 55.142,243.24 60.142,243.24 65.142,243.24 70.142,243.24 75.142,243.24 90.142,243.24 95.142,243.24 100.142,243.24 245.142,243.24 250.142,243.24 255.142,243.24 265.142,243.24 270.142,243.24 275.142,243.24 280.142,243.24 285.142,243.24 290.142,243.24 295.142,243.24 300.142,243.24 305.142,243.24 310.142,243.24 315.142,243.24 320.142,243.24 325.142,243.24 330.142,243.24 335.142,243.24 340.142,243.24 -7.358,248.24 -2.358,248.24 2.642,248.24 7.642,248.24 12.642,248.24 17.642,248.24 22.642,248.24 27.642,248.24 32.642,248.24 37.642,248.24 42.642,248.24 47.642,248.24 57.642,248.24 62.642,248.24 67.642,248.24 82.642,248.24 97.642,248.24 132.642,248.24 147.642,248.24 152.642,248.24 157.642,248.24 162.642,248.24 167.642,248.24 182.642,248.24 187.642,248.24 192.642,248.24 197.642,248.24 212.642,248.24 217.642,248.24 222.642,248.24 227.642,248.24 232.642,248.24 242.642,248.24 247.642,248.24 257.642,248.24 267.642,248.24 277.642,248.24 282.642,248.24 287.642,248.24 292.642,248.24 297.642,248.24 302.642,248.24 307.642,248.24 312.642,248.24 317.642,248.24 322.642,248.24 327.642,248.24 332.642,248.24 337.642,248.24 342.642,248.24 126.446,251 127.546,251 -4.858,253.24 0.142,253.24 5.142,253.24 10.142,253.24 15.142,253.24 20.142,253.24 25.142,253.24 30.142,253.24 35.142,253.24 40.142,253.24 45.142,253.24 50.142,253.24 60.142,253.24 65.142,253.24 70.142,253.24 75.142,253.24 100.142,253.24 105.142,253.24 125.142,253.24 130.142,253.24 135.142,253.24 145.142,253.24 150.142,253.24 155.142,253.24 170.142,253.24 185.142,253.24 190.142,253.24 195.142,253.24 200.142,253.24 210.142,253.24 215.142,253.24 220.142,253.24 225.142,253.24 230.142,253.24 235.142,253.24 240.142,253.24 245.142,253.24 265.142,253.24 270.142,253.24 275.142,253.24 280.142,253.24 285.142,253.24 290.142,253.24 295.142,253.24 300.142,253.24 305.142,253.24 310.142,253.24 315.142,253.24 320.142,253.24 166.463,256.82 -7.358,258.24 -2.358,258.24 2.642,258.24 7.642,258.24 12.642,258.24 17.642,258.24 22.642,258.24 27.642,258.24 32.642,258.24 37.642,258.24 42.642,258.24 47.642,258.24 52.642,258.24 57.642,258.24 67.642,258.24 72.642,258.24 82.642,258.24 92.642,258.24 97.642,258.24 102.642,258.24 107.642,258.24 122.642,258.24 127.642,258.24 132.642,258.24 137.642,258.24 142.642,258.24 147.642,258.24 152.642,258.24 157.642,258.24 177.642,258.24 182.642,258.24 187.642,258.24 192.642,258.24 197.642,258.24 262.642,258.24 267.642,258.24 272.642,258.24 277.642,258.24 282.642,258.24 287.642,258.24 292.642,258.24 297.642,258.24 302.642,258.24 307.642,258.24 312.642,258.24 322.642,258.24 -4.858,263.24 0.142,263.24 5.142,263.24 10.142,263.24 15.142,263.24 20.142,263.24 25.142,263.24 30.142,263.24 35.142,263.24 40.142,263.24 45.142,263.24 50.142,263.24 55.142,263.24 60.142,263.24 70.142,263.24 75.142,263.24 90.142,263.24 95.142,263.24 100.142,263.24 105.142,263.24 110.142,263.24 130.142,263.24 135.142,263.24 140.142,263.24 145.142,263.24 150.142,263.24 155.142,263.24 165.142,263.24 185.142,263.24 190.142,263.24 195.142,263.24 210.142,263.24 215.142,263.24 220.142,263.24 225.142,263.24 325.142,263.24 330.142,263.24 335.142,263.24 340.142,263.24 345.142,263.24 -7.358,268.24 -2.358,268.24 2.642,268.24 7.642,268.24 12.642,268.24 17.642,268.24 22.642,268.24 27.642,268.24 32.642,268.24 37.642,268.24 42.642,268.24 47.642,268.24 52.642,268.24 57.642,268.24 62.642,268.24 67.642,268.24 82.642,268.24 92.642,268.24 97.642,268.24 102.642,268.24 107.642,268.24 112.642,268.24 132.642,268.24 137.642,268.24 142.642,268.24 147.642,268.24 152.642,268.24 157.642,268.24 162.642,268.24 167.642,268.24 182.642,268.24 187.642,268.24 202.642,268.24 207.642,268.24 212.642,268.24 217.642,268.24 222.642,268.24 227.642,268.24 322.642,268.24 327.642,268.24 -4.858,273.24 0.142,273.24 5.142,273.24 10.142,273.24 15.142,273.24 20.142,273.24 25.142,273.24 30.142,273.24 35.142,273.24 40.142,273.24 45.142,273.24 50.142,273.24 55.142,273.24 60.142,273.24 65.142,273.24 70.142,273.24 90.142,273.24 95.142,273.24 100.142,273.24 105.142,273.24 110.142,273.24 115.142,273.24 120.142,273.24 140.142,273.24 145.142,273.24 150.142,273.24 155.142,273.24 160.142,273.24 165.142,273.24 170.142,273.24 175.142,273.24 180.142,273.24 185.142,273.24 200.142,273.24 205.142,273.24 210.142,273.24 215.142,273.24 220.142,273.24 225.142,273.24 230.142,273.24 235.142,273.24 240.142,273.24 245.142,273.24 250.142,273.24 255.142,273.24 260.142,273.24 265.142,273.24 270.142,273.24 275.142,273.24 280.142,273.24 285.142,273.24 290.142,273.24 295.142,273.24 300.142,273.24 305.142,273.24 310.142,273.24 315.142,273.24 320.142,273.24 325.142,273.24 -7.358,278.24 -2.358,278.24 2.642,278.24 7.642,278.24 12.642,278.24 17.642,278.24 22.642,278.24 27.642,278.24 32.642,278.24 37.642,278.24 42.642,278.24 47.642,278.24 52.642,278.24 57.642,278.24 67.642,278.24 72.642,278.24 77.642,278.24 87.642,278.24 92.642,278.24 97.642,278.24 102.642,278.24 107.642,278.24 112.642,278.24 117.642,278.24 -4.858,283.24 0.142,283.24 5.142,283.24 10.142,283.24 15.142,283.24 20.142,283.24 25.142,283.24 30.142,283.24 35.142,283.24 40.142,283.24 45.142,283.24 50.142,283.24 55.142,283.24 60.142,283.24 65.142,283.24 70.142,283.24 75.142,283.24 80.142,283.24 95.142,283.24 100.142,283.24 105.142,283.24 110.142,283.24 115.142,283.24 120.142,283.24 125.142,283.24 -7.358,288.24 -2.358,288.24 2.642,288.24 7.642,288.24 12.642,288.24 17.642,288.24 22.642,288.24 27.642,288.24 32.642,288.24 37.642,288.24 42.642,288.24 47.642,288.24 57.642,288.24 62.642,288.24 67.642,288.24 72.642,288.24 77.642,288.24 82.642,288.24 87.642,288.24 97.642,288.24 102.642,288.24 107.642,288.24 112.642,288.24 117.642,288.24 122.642,288.24 127.642,288.24 132.642,288.24 137.642,288.24 142.642,288.24 147.642,288.24 152.642,288.24 157.642,288.24 162.642,288.24 167.642,288.24 -4.858,293.24 0.142,293.24 5.142,293.24 10.142,293.24 15.142,293.24 20.142,293.24 25.142,293.24 30.142,293.24 35.142,293.24 40.142,293.24 45.142,293.24 50.142,293.24 55.142,293.24 60.142,293.24 65.142,293.24 70.142,293.24 75.142,293.24 80.142,293.24 85.142,293.24 90.142,293.24 105.142,293.24 110.142,293.24 115.142,293.24 120.142,293.24 125.142,293.24 130.142,293.24 135.142,293.24 140.142,293.24 145.142,293.24 150.142,293.24 155.142,293.24 160.142,293.24 165.142,293.24 170.142,293.24 175.142,293.24 190.142,293.24 195.142,293.24 200.142,293.24 205.142,293.24 210.142,293.24 215.142,293.24 220.142,293.24 225.142,293.24 230.142,293.24 235.142,293.24 240.142,293.24 250.142,293.24 265.142,293.24 270.142,293.24 275.142,293.24 280.142,293.24 285.142,293.24 290.142,293.24 300.142,293.24 305.142,293.24 310.142,293.24 315.142,293.24 320.142,293.24 325.142,293.24 -7.358,298.24 -2.358,298.24 2.642,298.24 7.642,298.24 12.642,298.24 17.642,298.24 22.642,298.24 27.642,298.24 32.642,298.24 37.642,298.24 42.642,298.24 52.642,298.24 57.642,298.24 62.642,298.24 67.642,298.24 72.642,298.24 77.642,298.24 82.642,298.24 87.642,298.24 92.642,298.24 97.642,298.24 192.642,298.24 197.642,298.24 202.642,298.24 207.642,298.24 212.642,298.24 217.642,298.24 222.642,298.24 227.642,298.24 232.642,298.24 237.642,298.24 242.642,298.24 247.642,298.24 252.642,298.24 267.642,298.24 272.642,298.24 277.642,298.24 282.642,298.24 287.642,298.24 292.642,298.24 297.642,298.24 302.642,298.24 307.642,298.24 312.642,298.24 317.642,298.24 322.642,298.24 327.642,298.24 -4.858,303.24 0.142,303.24 5.142,303.24 10.142,303.24 15.142,303.24 20.142,303.24 25.142,303.24 30.142,303.24 35.142,303.24 40.142,303.24 45.142,303.24 50.142,303.24 55.142,303.24 60.142,303.24 65.142,303.24 70.142,303.24 75.142,303.24 80.142,303.24 85.142,303.24 90.142,303.24 95.142,303.24 100.142,303.24 105.142,303.24 110.142,303.24 115.142,303.24 120.142,303.24 125.142,303.24 130.142,303.24 135.142,303.24 140.142,303.24 145.142,303.24 150.142,303.24 155.142,303.24 160.142,303.24 175.142,303.24 180.142,303.24 190.142,303.24 195.142,303.24 200.142,303.24 205.142,303.24 210.142,303.24 215.142,303.24 220.142,303.24 225.142,303.24 230.142,303.24 235.142,303.24 240.142,303.24 250.142,303.24 265.142,303.24 270.142,303.24 275.142,303.24 280.142,303.24 285.142,303.24 290.142,303.24 295.142,303.24 300.142,303.24 305.142,303.24 310.142,303.24 315.142,303.24 320.142,303.24 325.142,303.24 330.142,303.24 -7.358,308.24 -2.358,308.24 2.642,308.24 7.642,308.24 12.642,308.24 17.642,308.24 22.642,308.24 27.642,308.24 32.642,308.24 37.642,308.24 42.642,308.24 47.642,308.24 52.642,308.24 57.642,308.24 62.642,308.24 67.642,308.24 72.642,308.24 77.642,308.24 82.642,308.24 87.642,308.24 92.642,308.24 97.642,308.24 102.642,308.24 107.642,308.24 112.642,308.24 117.642,308.24 122.642,308.24 127.642,308.24 132.642,308.24 137.642,308.24 142.642,308.24 147.642,308.24 152.642,308.24 157.642,308.24 162.642,308.24 167.642,308.24 177.642,308.24 182.642,308.24 187.642,308.24 192.642,308.24 197.642,308.24 202.642,308.24 207.642,308.24 212.642,308.24 217.642,308.24 222.642,308.24 227.642,308.24 232.642,308.24 237.642,308.24 242.642,308.24 247.642,308.24 252.642,308.24 267.642,308.24 272.642,308.24 277.642,308.24 282.642,308.24 287.642,308.24 292.642,308.24 297.642,308.24 302.642,308.24 307.642,308.24 312.642,308.24 317.642,308.24 322.642,308.24 327.642,308.24 332.642,308.24 -4.858,313.24 0.142,313.24 5.142,313.24 10.142,313.24 15.142,313.24 20.142,313.24 25.142,313.24 30.142,313.24 35.142,313.24 40.142,313.24 45.142,313.24 50.142,313.24 55.142,313.24 60.142,313.24 65.142,313.24 70.142,313.24 75.142,313.24 80.142,313.24 85.142,313.24 90.142,313.24 95.142,313.24 100.142,313.24 105.142,313.24 110.142,313.24 115.142,313.24 120.142,313.24 125.142,313.24 130.142,313.24 135.142,313.24 140.142,313.24 145.142,313.24 150.142,313.24 155.142,313.24 160.142,313.24 165.142,313.24 170.142,313.24 175.142,313.24 180.142,313.24 190.142,313.24 195.142,313.24 200.142,313.24 205.142,313.24 210.142,313.24 215.142,313.24 220.142,313.24 225.142,313.24 230.142,313.24 235.142,313.24 240.142,313.24 250.142,313.24 265.142,313.24 270.142,313.24 275.142,313.24 280.142,313.24 285.142,313.24 290.142,313.24 295.142,313.24 300.142,313.24 305.142,313.24 310.142,313.24 315.142,313.24 320.142,313.24 325.142,313.24 330.142,313.24 335.142,313.24 -7.358,318.24 -2.358,318.24 2.642,318.24 7.642,318.24 12.642,318.24 17.642,318.24 22.642,318.24 27.642,318.24 32.642,318.24 37.642,318.24 42.642,318.24 47.642,318.24 52.642,318.24 57.642,318.24 62.642,318.24 67.642,318.24 72.642,318.24 77.642,318.24 82.642,318.24 87.642,318.24 92.642,318.24 97.642,318.24 102.642,318.24 107.642,318.24 112.642,318.24 117.642,318.24 122.642,318.24 127.642,318.24 132.642,318.24 137.642,318.24 142.642,318.24 147.642,318.24 152.642,318.24 157.642,318.24 162.642,318.24 167.642,318.24 177.642,318.24 182.642,318.24 187.642,318.24 192.642,318.24 197.642,318.24 202.642,318.24 207.642,318.24 212.642,318.24 217.642,318.24 222.642,318.24 227.642,318.24 232.642,318.24 237.642,318.24 242.642,318.24 247.642,318.24 252.642,318.24 267.642,318.24 272.642,318.24 277.642,318.24 282.642,318.24 287.642,318.24 292.642,318.24 297.642,318.24 302.642,318.24 307.642,318.24 312.642,318.24 317.642,318.24 322.642,318.24 327.642,318.24 332.642,318.24 -4.858,323.24 0.142,323.24 5.142,323.24 10.142,323.24 15.142,323.24 20.142,323.24 25.142,323.24 30.142,323.24 35.142,323.24 40.142,323.24 45.142,323.24 50.142,323.24 55.142,323.24 60.142,323.24 65.142,323.24 70.142,323.24 75.142,323.24 80.142,323.24 85.142,323.24 90.142,323.24 95.142,323.24 100.142,323.24 105.142,323.24 110.142,323.24 115.142,323.24 120.142,323.24 125.142,323.24 130.142,323.24 135.142,323.24 140.142,323.24 145.142,323.24 150.142,323.24 155.142,323.24 160.142,323.24 165.142,323.24 180.142,323.24 190.142,323.24 195.142,323.24 200.142,323.24 205.142,323.24 210.142,323.24 215.142,323.24 220.142,323.24 225.142,323.24 230.142,323.24 235.142,323.24 240.142,323.24 250.142,323.24 265.142,323.24 270.142,323.24 275.142,323.24 280.142,323.24 285.142,323.24 290.142,323.24 295.142,323.24 300.142,323.24 305.142,323.24 -7.358,328.24 -2.358,328.24 2.642,328.24 7.642,328.24 12.642,328.24 17.642,328.24 22.642,328.24 27.642,328.24 37.642,328.24 42.642,328.24 47.642,328.24 52.642,328.24 57.642,328.24 62.642,328.24 67.642,328.24 72.642,328.24 77.642,328.24 82.642,328.24 87.642,328.24 92.642,328.24 97.642,328.24 102.642,328.24 107.642,328.24 112.642,328.24 117.642,328.24 122.642,328.24 127.642,328.24 132.642,328.24 137.642,328.24 142.642,328.24 147.642,328.24 152.642,328.24 157.642,328.24 162.642,328.24 187.642,328.24 192.642,328.24 197.642,328.24 202.642,328.24 207.642,328.24 212.642,328.24 217.642,328.24 222.642,328.24 227.642,328.24 232.642,328.24 237.642,328.24 242.642,328.24 247.642,328.24 252.642,328.24 267.642,328.24 272.642,328.24 277.642,328.24 282.642,328.24 287.642,328.24 292.642,328.24 297.642,328.24 -4.858,333.24 0.142,333.24 5.142,333.24 10.142,333.24 15.142,333.24 25.142,333.24 45.142,333.24 50.142,333.24 55.142,333.24 60.142,333.24 65.142,333.24 70.142,333.24 75.142,333.24 80.142,333.24 85.142,333.24 90.142,333.24 95.142,333.24 100.142,333.24 105.142,333.24 110.142,333.24 115.142,333.24 120.142,333.24 125.142,333.24 130.142,333.24 135.142,333.24 140.142,333.24 145.142,333.24 150.142,333.24 155.142,333.24 160.142,333.24 165.142,333.24 170.142,333.24 180.142,333.24 190.142,333.24 195.142,333.24 200.142,333.24 205.142,333.24 210.142,333.24 215.142,333.24 220.142,333.24 225.142,333.24 230.142,333.24 235.142,333.24 240.142,333.24 250.142,333.24 265.142,333.24 270.142,333.24 275.142,333.24 280.142,333.24 285.142,333.24 290.142,333.24 295.142,333.24 -7.358,338.24 -2.358,338.24 12.642,338.24 27.642,338.24 52.642,338.24 57.642,338.24 62.642,338.24 67.642,338.24 72.642,338.24 77.642,338.24 82.642,338.24 87.642,338.24 92.642,338.24 97.642,338.24 102.642,338.24 107.642,338.24 112.642,338.24 117.642,338.24 122.642,338.24 127.642,338.24 132.642,338.24 137.642,338.24 142.642,338.24 147.642,338.24 152.642,338.24 162.642,338.24 167.642,338.24 182.642,338.24 187.642,338.24 192.642,338.24 197.642,338.24 202.642,338.24 207.642,338.24 212.642,338.24 217.642,338.24 222.642,338.24 227.642,338.24 232.642,338.24 237.642,338.24 242.642,338.24 247.642,338.24 267.642,338.24 272.642,338.24 277.642,338.24 287.642,338.24 0.142,343.24 10.142,343.24 25.142,343.24 30.142,343.24 40.142,343.24 45.142,343.24 50.142,343.24 60.142,343.24 65.142,343.24 70.142,343.24 75.142,343.24 80.142,343.24 85.142,343.24 90.142,343.24 95.142,343.24 100.142,343.24 105.142,343.24 110.142,343.24 115.142,343.24 120.142,343.24 125.142,343.24 130.142,343.24 135.142,343.24 140.142,343.24 145.142,343.24 150.142,343.24 155.142,343.24 160.142,343.24 165.142,343.24 175.142,343.24 180.142,343.24 185.142,343.24 190.142,343.24 195.142,343.24 200.142,343.24 205.142,343.24 210.142,343.24 215.142,343.24 220.142,343.24 225.142,343.24 230.142,343.24 235.142,343.24 240.142,343.24 265.142,343.24 2.642,348.24 7.642,348.24 12.642,348.24 27.642,348.24 32.642,348.24 37.642,348.24 42.642,348.24 47.642,348.24 52.642,348.24 57.642,348.24 62.642,348.24 67.642,348.24 72.642,348.24 77.642,348.24 82.642,348.24 87.642,348.24 92.642,348.24 97.642,348.24 102.642,348.24 107.642,348.24 112.642,348.24 117.642,348.24 122.642,348.24 127.642,348.24 132.642,348.24 137.642,348.24 142.642,348.24 147.642,348.24 152.642,348.24 157.642,348.24 162.642,348.24 167.642,348.24 172.642,348.24 182.642,348.24 187.642,348.24 192.642,348.24 197.642,348.24 202.642,348.24 207.642,348.24 212.642,348.24 217.642,348.24 222.642,348.24 227.642,348.24 232.642,348.24 237.642,348.24 5.142,353.24 10.142,353.24